# Allegro board parallella_layout.brd (continued)
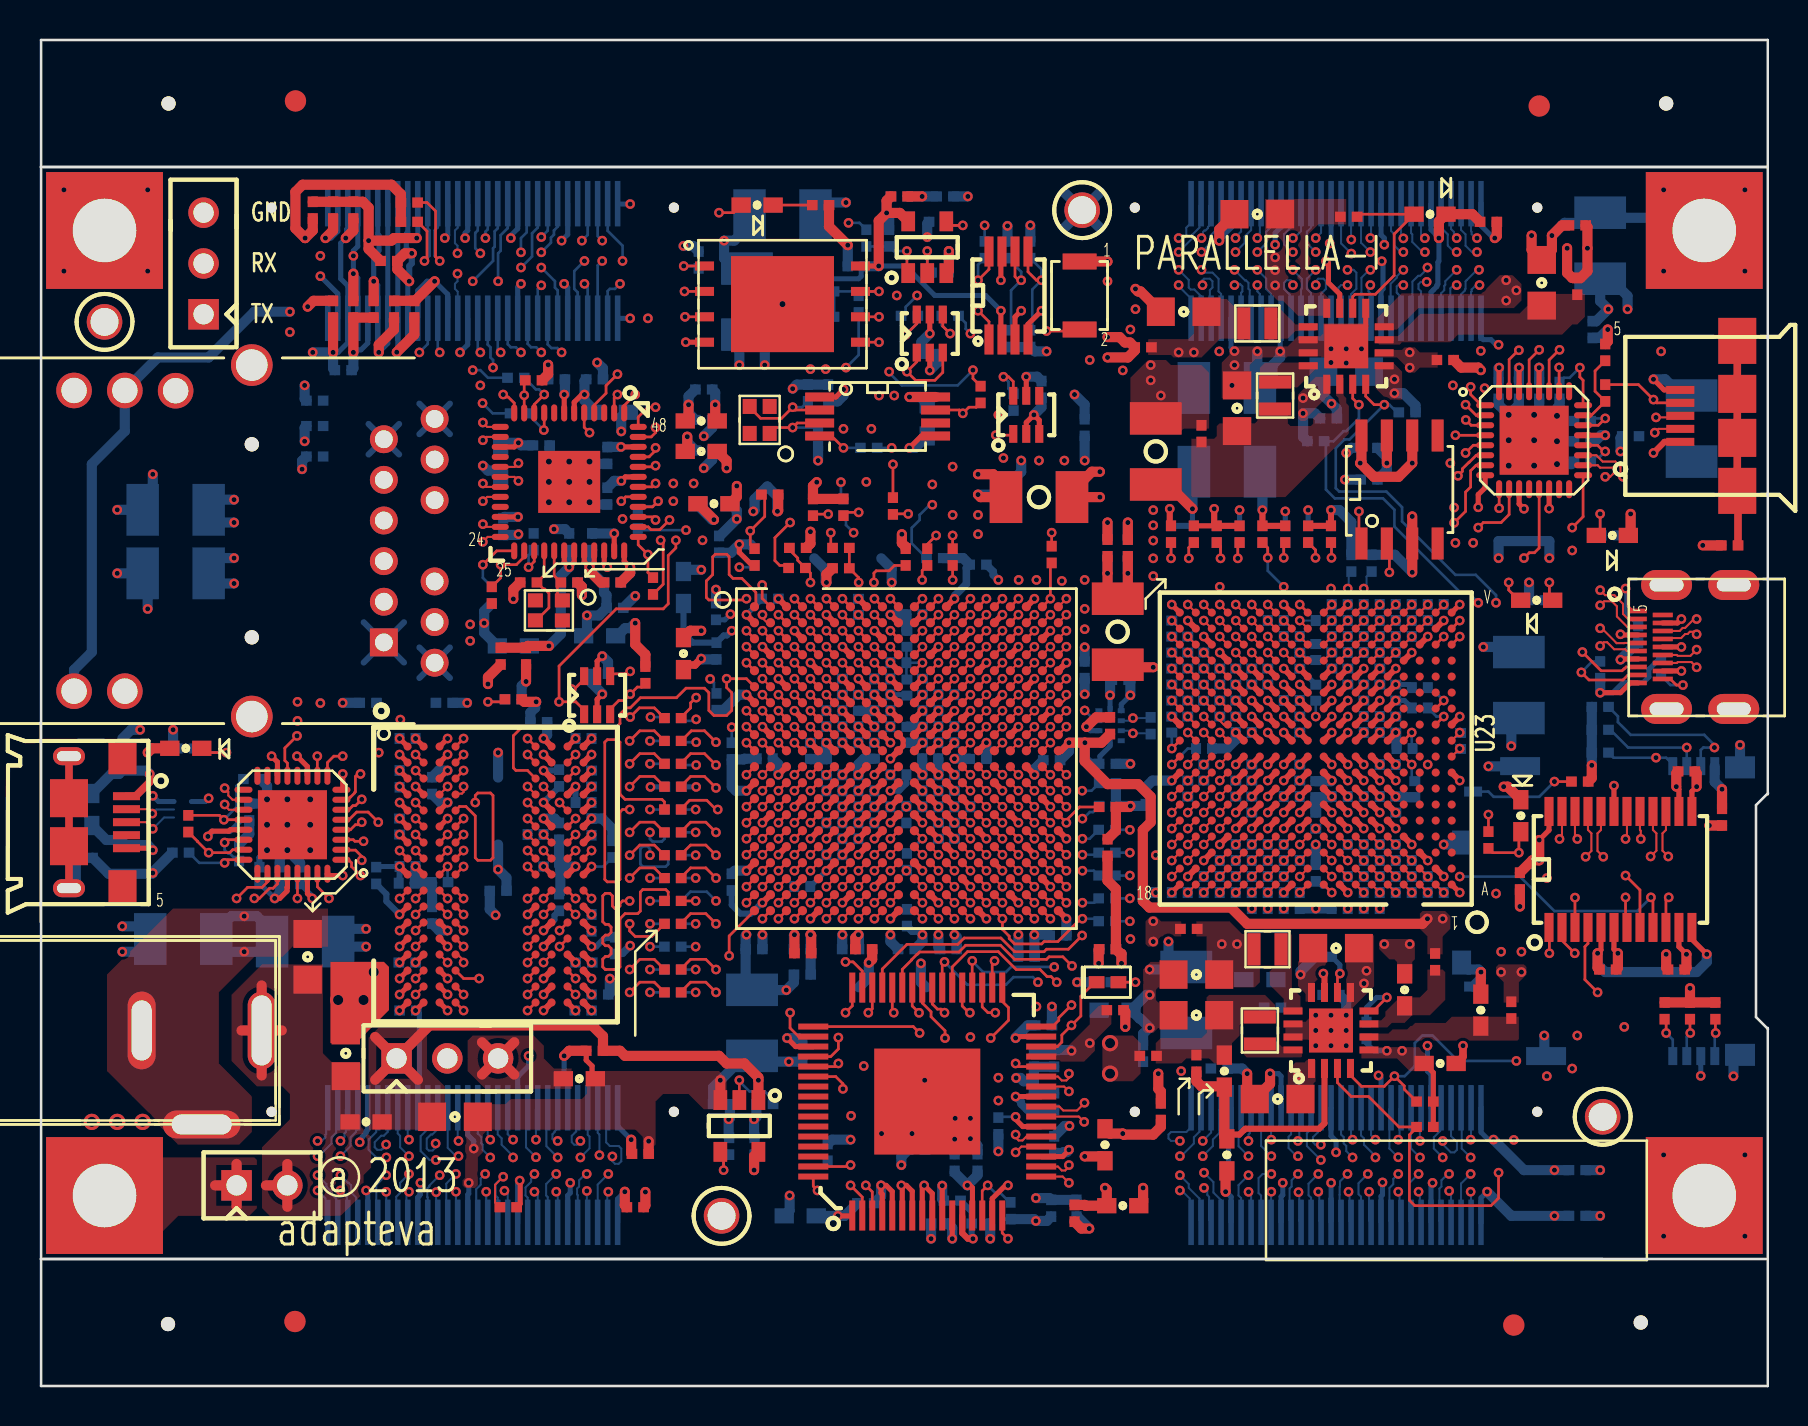
[diagram p0: board, top side]
## Routing (per net, layer and track width the routed paths; a pad name or vN(x,y) marks a point on that pad's centre or on a via; arc(x,y) is an arc through that point) (continued)
PS_I2C_SDA: length 66
  TOP w0.133: U37.3 v1(76.77,24.42) ; U2.N17 v1(48.94,28.97)
  L5_SIG w0.108: v1(52.12,29.77) 53.46,28.44 53.46,28.07 54.35,27.18 54.66,27.18 55.28,26.56 55.28,21.97 54.66,21.35 54.66,20.95 54.28,20.57 54.28,19.05 54.79,18.54 54.79,15.68 53.58,14.48 53.58,11.73 54.78,10.54 55.17,10.54 56.44,9.27 73.59,9.27 74.22,9.91 74.22,12.45 73.49,13.18 73.49,15.14 74.73,16.38 74.73,18.36 76.3,19.94 76.3,23.95 v1(76.77,24.42)
  L10_SIG w0.108: v1(52.12,29.77) 51.73,30.17 49.57,30.17 49.34,29.93 49.34,29.59 48.94,29.19 v1(48.94,28.97)
  BOTTOM w0.133: R18.2 52.59,29.77 v1(52.12,29.77)
PS_MIO7: length 6
  TOP w0.133: U2.D8 v1(40.93,36.97) ; v1(40.95,40.18) 40.95,40.42 R45.2 R334.1
  L8_SIG w0.108: v1(40.95,40.18) 41.33,39.8 41.33,38.41 41.33,38.4 41.33,37.94 41.33,37.93 41.33,37.37 v1(40.93,36.97)
PS_POR_L: length 32.6
  TOP w0.133: v1(43.36,56.76) 43.36,55.71 U33.1 ; U2.C7 v1(40.13,37.77)
  L3_SIG w0.108: v1(43.36,56.76) 43.36,53.47 42.47,52.58 42.47,51.94 41.2,50.67 41.2,49.66 39.68,48.13 39.68,46.61 40.69,45.59 40.69,44.83 41.46,44.07 41.46,43.43 v1(40.69,42.67)
  L8_SIG w0.108: v1(43.36,56.76) 43.37,56.76 43.87,56.26 44.63,56.26 44.88,56.52 44.88,57.02 45.27,57.4 46.28,57.4 46.92,58.04 v1(47.25,58.04) ; v1(40.13,37.77) 40.54,38.17 40.54,40.64 40.69,40.8 v1(40.69,42.67)
  BOTTOM w0.133: v1(40.69,42.67) 40.31,43.05 40.31,43.4 R95.2 ; R96.2 v1(47.25,58.04) ; v1(43.36,56.76) 42.7,56.76 R326.1 R98.1
QSPI_CLK: length 27.3
  TOP w0.133: R47.1 35.52,42.09 v1(35.52,42.76) 36.25,43.48 36.25,44.41 R46.1 ; U2.A5 v1(38.53,39.37) ; U7.6 v1(41.96,53.47)
  L3_SIG w0.108: v1(38.53,39.37) 38.53,39.62 38.03,40.13 38.03,40.77 36.76,42.04 36.25,42.04 v1(35.52,42.76)
  L8_SIG w0.108: v1(41.96,53.47) 40.06,53.47 38.09,51.5 38.09,46.29 37.65,45.85 37.65,43.75 38.09,43.31 38.09,41.48 38.93,40.64 38.93,39.77 v1(38.53,39.37)
QSPI_CS_L: length 29.9
  TOP w0.133: U2.A7 v1(40.13,39.37) ; U7.1 v1(32.2,56.01)
  L3_SIG w0.108: v1(39.3,50.85) 38.69,51.46 34.77,51.46 34.66,51.57 34.66,53.49 34.55,53.59 34.12,53.59 34.01,53.49 34.01,51.57 33.9,51.46 33.17,51.46 32.95,51.69 32.95,55.75 32.69,56.01 v1(32.2,56.01)
  L8_SIG w0.108: v1(39.3,50.85) 39.3,46.46 39.31,46.44 39.31,46.11 39.3,46.1 39.3,44.88 39.93,44.25 39.93,42.93 40.19,42.67 40.19,41.15 40.13,41.1 v1(40.13,39.37)
  BOTTOM w0.133: R28.2 32.83,56.01 v1(32.2,56.01)
QSPI_IO_0: length 32.6
  TOP w0.133: R48.1 42.74,41.03 42.47,40.77 41.82,40.77 41.71,40.65 v1(41.71,40.18) ; U7.5 v1(41.96,52.2) ; U2.B8 v1(40.93,38.57)
  L8_SIG w0.108: v1(41.71,40.18) 41.71,40.51 41.46,40.77 41.46,44.07 40.82,44.7 40.82,46.22 41.08,46.48 41.08,49.91 41.2,50.03 41.2,51.43 41.33,51.56 48.06,51.56 48.19,51.69 48.19,53.09 48.06,53.21 43.36,53.21 42.34,52.2 v1(41.96,52.2)
  L10_SIG w0.108: v1(40.93,38.57) 41.33,38.97 41.33,39.8 v1(41.71,40.18)
QSPI_IO_1: length 38.1
  TOP w0.133: v1(39.42,43.6) 38.74,43.6 R51.2 ; U7.2 v1(32.23,54.74) ; U2.D6 v1(39.33,36.97)
  L3_SIG w0.108: v1(39.42,43.6) 39.04,43.22 39.04,41.27 39.74,40.58 39.74,39.09 39.61,38.97 39.17,38.97 38.93,38.73 38.93,37.37 v1(39.33,36.97)
  L8_SIG w0.108: v1(32.23,54.74) 36.25,54.74 36.38,54.86 36.38,55.12 36.25,55.24 31.68,55.24 31.42,54.99 31.42,45.9 31.68,45.64 v1(31.68,45.14)
  L10_SIG w0.108: v1(31.68,45.14) 32.31,44.5 37.26,44.5 38.17,43.6 v1(39.42,43.6)
QSPI_IO_2: length 35.2
  TOP w0.133: v1(40.95,43.69) 40.35,43.69 R50.2 ; U7.3 v1(32.26,53.47) ; U2.B7 v1(40.13,38.57)
  L3_SIG w0.108: v1(40.95,43.69) 40.19,42.93 40.19,41.15 40.54,40.8 40.54,39.03 40.33,38.82 40.33,38.76 v1(40.13,38.57)
  L8_SIG w0.108: v1(32.69,45.14) 32.37,45.45 32.37,45.71 31.9,46.18 31.9,50.29 32.16,50.55 33.2,50.55 33.33,50.67 33.33,51.05 33.2,51.18 32.18,51.18 31.9,51.46 31.9,52.68 32.18,52.96 35.49,52.96 35.61,53.09 35.61,53.47 35.49,53.59 32.39,53.59 v1(32.26,53.47)
  L10_SIG w0.108: v1(32.69,45.14) 33.01,45.45 35.11,45.45 35.74,44.82 37.54,44.82 38.29,44.07 40.57,44.07 v1(40.95,43.69)
QSPI_IO_3: length 33.6
  TOP w0.133: U7.7 v1(41.96,54.74) ; U2.A6 v1(39.33,39.37)
  L3_SIG w0.108: v1(41.96,54.74) 41.52,54.3 41.52,53.14 39.69,51.31 39.69,50.55 38.41,49.26 38.41,48.77 38.03,48.39 34.09,48.39 33.96,48.26 33.96,47.12 34.09,46.99 37.65,46.99 37.77,46.86 37.77,46 37.65,45.87 35.72,45.87 35.61,45.77 35.61,45.33 35.72,45.23 36.12,45.23 36.38,44.97 36.38,43.31 38.94,40.75 38.94,39.91 39.33,39.51 v1(39.33,39.37)
  BOTTOM w0.133: R76.2 R52.2 40.73,54.74 R97.1 41.16,54.74 v1(41.96,54.74)
REG_EN1: length 115.1
  TOP w0.133: U29.3 64.89,15.17 65.59,14.48 66.45,14.48 67.97,12.95 R276.1 68.85,12.92 68.49,12.56 68.49,9.29 68.76,9.02 72.57,9.02 72.95,9.4 v1(72.95,10.67)
  L5_SIG w0.108: v1(28.12,56.26) 28.12,56.64 28.76,57.28 31.8,57.28 31.93,57.41 32.56,57.41 33.09,56.88 39.28,56.88 39.93,57.53 40.95,57.53 41.2,57.78 42.85,57.78 42.98,57.91 44.63,57.91 44.88,57.66 44.88,56.64 45.27,56.26 46.15,56.26 46.28,56.39 50.35,56.39 50.98,55.75 55.17,55.75 55.93,54.99 55.93,54.74 57.58,53.09 63.17,53.09 63.68,52.58 73.08,52.58 73.46,52.2 73.46,50.55 74.35,49.66 76.07,49.66 76.51,49.22 76.51,44.2 77.14,43.56 77.14,41.27 76.38,40.51 76.38,38.35 72.95,34.92 72.95,30.61 72.7,30.35 72.7,29.21 72.95,28.96 72.95,26.42 73.33,26.04 73.33,24.49 73.15,24.31 73.15,22.68 72.57,22.1 72.57,15.75 73.08,15.24 73.08,12.83 73.21,12.7 73.21,10.92 v1(72.95,10.67)
  BOTTOM w0.133: J13.5 27.89,56.03 v1(28.12,56.26)
REG_EN2: length 97.7
  TOP w0.133: v1(65.01,20.62) 64.89,20.51 U29.10
  L5_SIG w0.108: v1(73.08,21.72) 73.43,22.07 73.43,24.08 73.71,24.36 73.71,26.16 73.33,26.54 73.33,28.45 73.97,29.08 73.97,31.37 74.35,31.75 74.35,35.81 76.76,38.23 76.76,40.39 77.52,41.15 77.52,48.77 76.25,50.04 75.11,50.04 74.48,50.67 74.48,52.07 73.59,52.96 63.81,52.96 63.3,53.47 57.71,53.47 56.31,54.86 56.31,55.24 54.92,56.64 50.85,56.64 50.73,56.77 46.28,56.77 44.76,58.29 42.85,58.29 42.73,58.17 41.58,58.17 41.07,58.67 35.36,58.67 34.47,57.78 32.31,57.78 32.18,57.66 28.5,57.66 v1(28.12,57.28)
  L10_SIG w0.108: v1(73.08,21.72) 71.68,21.72 70.03,20.07 67.11,20.07 66.73,19.69 65.95,19.69 v1(65.01,20.62)
  BOTTOM w0.133: v1(28.12,57.28) 27.89,57.5 J13.6
  BOTTOM w0.254: R277.1 65.01,21.06 v1(65.01,20.62)
REG_EN3: length 113.7
  TOP w0.133: R280.1 68.23,14.84 68.23,15.01 v1(67.74,15.49) 67.24,14.99 66.09,14.99 65.54,15.53 U29.4
  L5_SIG w0.108: v1(73.84,16.26) 73.84,18.29 75.94,20.39 75.94,24.47 76.49,25.02 76.49,27.7 75.24,28.96 75.24,30.73 76.13,31.62 76.13,36.58 77.52,37.97 77.52,40.13 79.05,41.66 79.05,43.94 79.94,44.83 79.94,48.77 77.14,51.56 77.14,53.59 70.79,59.94 28.76,59.94 26.6,57.78 26.6,56.13 27.23,55.5 v1(27.23,55.12)
  BOTTOM w0.133: v1(67.74,15.49) 68.25,15.49 68.76,16 68.76,17.14 69.14,17.53 69.65,17.53 70.92,16.26 v1(73.84,16.26) ; v1(27.23,55.12) 27.39,54.96 J13.7
REG_EN4: length 103.8
  TOP w0.133: U29.8 66.69,18.76 v1(67.36,19.43)
  L5_SIG w0.108: v1(27.1,57.28) 27.87,58.04 30.91,58.04 31.04,57.91 32.06,57.91 32.31,58.17 34.34,58.17 35.76,59.58 40.8,59.58 41.07,59.31 43.23,59.31 43.74,58.8 44.76,58.8 46.41,57.15 50.85,57.15 50.98,57.02 55.17,57.02 56.06,57.91 60,57.91 60.38,57.53 60.38,54.74 61.27,53.85 63.55,53.85 64.06,53.34 74.22,53.34 75.49,52.07 75.49,50.67 75.75,50.42 77.16,50.42 79.57,48.01 79.57,44.97 78.67,44.07 78.67,41.78 77.14,40.26 77.14,38.1 75.49,36.45 75.49,31.62 74.86,30.99 74.86,28.58 75.6,27.83 75.6,26.05 75.87,25.78 75.87,25.15 75.49,24.77 75.36,24.77 74.73,24.13 74.73,22.35 v1(74.09,21.72)
  L10_SIG w0.108: v1(67.36,19.43) 70.16,19.43 71.94,21.21 73.59,21.21 v1(74.09,21.72)
  BOTTOM w0.133: v1(27.1,57.28) 27.39,57.57 J13.8
  BOTTOM w0.254: v1(67.36,19.43) 66.86,19.43 66.35,18.92 R283.1
RESET_N: length 25
  L3_SIG w0.108: v1(22.02,56.64) 21.77,56.9 21.77,57.78 22.41,58.42 30.28,58.42 30.79,57.91 32.44,57.91 33.71,59.18 38.15,59.18 39.17,58.17 v1(40.44,58.17)
  BOTTOM w0.133: R98.2 40.99,58.17 v1(40.44,58.17) ; v1(22.02,56.64) 21.77,56.9 21.77,57.66 21.89,57.78 J13.30
RXI_CCLK_N: length 26.4
  TOP w0.102: U23.K1 v1(71.01,32.68) ; v1(48.94,33.77) U2.H17
  L8_SIG w0.095: v1(71.01,32.68) 69.51,32.68 69.01,32.18 57.33,32.18 56.82,32.69 56.57,32.69 55.16,34.1 53,34.1 52.78,34.32 52.78,34.78 52.57,34.99 51.5,34.99 51.5,34.98 49.59,34.98 49.34,34.73 49.34,34.36 49.16,34.18 48.71,34.18 48.57,34.04 48.57,33.84 48.64,33.77 v1(48.94,33.77)
RXI_CCLK_P: length 26.1
  TOP w0.102: v1(48.14,33.77) U2.H16 ; U23.J1 v1(71.01,31.88)
  L8_SIG w0.095: v1(48.14,33.77) 48.54,33.36 49.16,33.36 49.33,33.53 49.33,33.53 49.33,33.91 49.57,34.16 52.08,34.16 52.09,34.17 52.49,34.17 52.88,33.79 55.03,33.79 56.44,32.38 56.7,32.38 57.2,31.88 69.14,31.88 69.64,32.37 70.51,32.37 v1(71.01,31.88)
RXI_EA_DATA0_N: length 8.3
  TOP w0.102: U23.T18 v1(56.61,37.48) ; U2.A20 v1(51.34,39.37)
  L3_SIG w0.095: v1(56.61,37.48) 56.91,37.48 57.03,37.6 57.03,37.77 56.91,37.89 56.4,37.89 56.24,38.05 53.77,38.05 52.21,39.61 51.58,39.61 v1(51.34,39.37)
RXI_EA_DATA0_P: length 8.8
  TOP w0.102: U23.U18 v1(56.61,38.28) ; U2.B19 v1(50.54,38.57)
  L3_SIG w0.095: v1(50.54,38.57) 50.94,38.98 50.94,39.53 51.33,39.92 52.34,39.92 53.9,38.35 56.53,38.35 v1(56.61,38.28)
RXI_EA_DATA1_N: length 10.5
  TOP w0.102: U2.B20 v1(51.34,38.57) ; U23.R17 v1(57.41,36.68)
  L5_SIG w0.095: v1(57.41,36.68) 57.02,36.29 56.32,36.29 56.09,36.53 55.68,36.53 55.3,36.91 53.9,36.91 53.24,36.25 51.87,36.25 51.55,36.56 51.17,36.56 50.94,36.79 50.94,38.06 51.23,38.35 51.23,38.47 v1(51.34,38.57)
RXI_EA_DATA1_P: length 10.2
  TOP w0.102: U23.T17 v1(57.41,37.48) ; U2.C20 v1(51.34,37.77)
  L5_SIG w0.095: v1(57.41,37.48) 57.46,37.43 57.46,37.21 57.33,37.09 56.26,37.09 56.01,36.83 55.81,36.83 55.43,37.21 53.77,37.21 53.11,36.55 52,36.55 51.77,36.78 51.77,38 51.87,38.1 51.87,38.23 51.81,38.29 51.63,38.29 51.34,38 v1(51.34,37.77)
RXI_EA_DATA2_N: length 9
  TOP w0.102: U2.D20 v1(51.34,36.97) ; U23.P16 v1(58.21,35.88)
  L10_SIG w0.095: v1(58.21,35.88) 58.21,36.09 58.03,36.27 56.24,36.27 56.06,36.45 56.06,36.7 55.98,36.78 55.82,36.78 55.69,36.91 52.78,36.91 52.43,36.55 52.09,36.55 51.67,36.97 v1(51.34,36.97)
RXI_EA_DATA2_P: length 9.3
  TOP w0.102: U2.D19 v1(50.54,36.97) ; U23.R16 v1(58.21,36.68)
  L10_SIG w0.095: v1(58.21,36.68) 57.99,36.68 57.58,37.08 55.95,37.08 55.82,37.21 52.76,37.21 52.59,37.38 50.95,37.38 v1(50.54,36.97)
RXI_EA_DATA3_N: length 11.8
  TOP w0.102: U23.N15 v1(59.01,35.08) ; U2.E19 v1(50.54,36.17)
  L8_SIG w0.095: v1(50.54,36.17) 50.93,35.78 51.5,35.78 51.72,36 53.65,36 54.85,34.8 55.49,34.8 55.84,35.15 56.09,35.15 56.19,35.05 56.19,34.85 56.37,34.67 59.24,34.67 59.38,34.82 59.38,34.95 59.25,35.08 v1(59.01,35.08)
RXI_EA_DATA3_P: length 11.5
  TOP w0.102: U2.E18 v1(49.74,36.17) ; U23.P15 v1(59.01,35.88)
  L8_SIG w0.095: v1(59.01,35.88) 58.6,35.47 55.72,35.47 55.36,35.1 54.98,35.1 53.77,36.31 51.81,36.31 51.54,36.57 50.14,36.57 v1(49.74,36.17)
RXI_EA_DATA4_N: length 10
  TOP w0.102: U23.P18 v1(56.61,35.88) ; U2.D18 v1(49.74,36.97)
  L3_SIG w0.095: v1(56.61,35.88) 56.88,35.88 57,36 57,36.17 56.88,36.29 56.44,36.29 56.36,36.37 56.19,36.37 55.51,37.06 52.98,37.06 52.48,36.55 51.5,36.55 51.5,36.56 50.37,36.56 50.37,36.55 49.83,36.55 49.68,36.7 49.68,36.92 v1(49.74,36.97)
RXI_EA_DATA4_P: length 9.9
  TOP w0.102: U2.E17 v1(48.94,36.17) ; U23.R18 v1(56.61,36.68)
  L3_SIG w0.095: v1(56.61,36.68) 56.31,36.68 55.63,37.36 49.57,37.36 49.33,37.11 49.33,36.56 v1(48.94,36.17)
RXI_EA_DATA5_N: length 8.6
  TOP w0.102: U2.F20 v1(51.34,35.37) ; U23.N17 v1(57.41,35.08)
  L5_SIG w0.095: v1(51.34,35.37) 51.34,35.08 51.44,34.98 51.67,34.98 51.87,35.18 54.54,35.18 54.94,34.77 55.42,34.77 55.83,35.18 56.01,35.18 56.16,35.03 56.16,34.87 56.34,34.69 57.3,34.69 57.41,34.79 v1(57.41,35.08)
RXI_EA_DATA5_P: length 8.8
  TOP w0.102: U23.P17 v1(57.41,35.88) ; U2.F19 v1(50.54,35.37)
  L5_SIG w0.095: v1(50.54,35.37) 50.94,35.77 51.55,35.77 51.84,35.48 54.66,35.48 55.07,35.08 55.3,35.08 55.7,35.48 56.37,35.48 56.39,35.47 57,35.47 v1(57.41,35.88)
RXI_EA_DATA6_N: length 12.9
  TOP w0.102: U23.M16 v1(58.21,34.28) ; U2.G18 v1(49.74,34.57)
  L10_SIG w0.095: v1(58.21,34.28) 58.21,34.15 58.32,34.04 58.55,34.04 58.62,34.1 58.62,34.55 58.48,34.69 56.32,34.69 56.16,34.85 56.16,35.05 56.05,35.16 55.92,35.16 55.55,34.8 54.92,34.8 54.79,34.92 54.71,34.92 54.7,34.93 54.51,34.93 53.59,35.86 51.82,35.86 51.74,35.78 50.39,35.78 50.14,35.53 50.14,35.01 49.95,34.81 49.95,34.78 v1(49.74,34.57)
RXI_EA_DATA6_P: length 12.9
  TOP w0.102: U23.N16 v1(58.21,35.08) ; U2.G17 v1(48.94,34.57)
  L10_SIG w0.095: v1(48.94,34.57) 49.34,34.98 49.34,36.33 49.57,36.56 51.57,36.56 51.96,36.16 53.98,36.16 55.04,35.1 55.43,35.1 55.79,35.47 57.82,35.47 v1(58.21,35.08)
RXI_EA_DATA7_N: length 11.7
  TOP w0.102: v1(51.34,34.57) 51.34,34.39 51.11,34.17 U2.G20 ; v1(59.01,33.48) 59.01,33.27 59.2,33.08 U23.L15
  L3_SIG w0.095: v1(59.01,33.48) 59.01,33.78 58.92,33.87 56.38,33.87 56.19,33.68 56.19,33.45 56.13,33.39 55.81,33.39 55.62,33.59 55.62,33.72 55.68,33.78 55.81,33.78 55.93,33.91 55.93,34.04 55.81,34.16 55.55,34.16 55.43,34.04 55.17,34.04 55.17,34.04 55.11,34.1 53.13,34.1 52.76,34.47 52.76,34.8 52.5,35.05 52.12,35.05 51.64,34.57 v1(51.34,34.57)
RXI_EA_DATA7_P: length 11.9
  TOP w0.102: U23.M15 v1(59.01,34.28) ; U2.G19 v1(50.54,34.57)
  L3_SIG w0.095: v1(50.54,34.57) 50.93,34.17 52.62,34.17 53,33.79 54.98,33.79 55.69,33.09 59.28,33.09 59.42,33.23 59.42,33.87 v1(59.01,34.28)
RXI_EA_FRAME_N: length 13.5
  TOP w0.102: U2.G15 v1(47.34,34.57) ; U23.L17 v1(57.41,33.48)
  L5_SIG w0.095: v1(57.41,33.48) 57.02,33.09 55.55,33.09 55.17,33.47 55.17,33.6 54.98,33.79 54.28,33.79 53.87,33.38 47.17,33.38 46.94,33.61 46.94,34.18 v1(47.34,34.57)
RXI_EA_FRAME_P: length 13.1
  TOP w0.102: U23.M17 v1(57.41,34.28) ; U2.H15 v1(47.34,33.77)
  L5_SIG w0.095: v1(47.34,33.77) 47.26,33.84 47.26,34.07 47.37,34.17 52.5,34.17 52.76,33.92 52.76,33.78 52.86,33.68 53.74,33.68 54.16,34.1 55.11,34.1 55.48,33.73 55.48,33.6 55.68,33.39 56.05,33.39 56.19,33.53 56.19,33.64 56.43,33.89 57.31,33.89 57.46,34.04 57.46,34.23 v1(57.41,34.28)
RXI_EA_LCLK_N: length 10.4
  TOP w0.102: U2.F17 v1(48.94,35.37) ; U23.M18 v1(56.61,34.28)
  L3_SIG w0.095: v1(48.94,35.37) 48.92,35.37 48.8,35.24 48.8,35.09 48.92,34.96 51.5,34.96 51.72,35.18 51.72,35.2 51.73,35.21 51.73,35.37 52.12,35.76 53.95,35.76 55.19,34.53 56.36,34.53 v1(56.61,34.28)
RXI_EA_LCLK_P: length 10.5
  TOP w0.102: U23.N18 v1(56.61,35.08) ; U2.F16 v1(48.14,35.37)
  L3_SIG w0.095: v1(56.61,35.08) 56.36,34.83 55.32,34.83 54.08,36.07 52,36.07 51.71,35.78 48.54,35.78 v1(48.14,35.37)
RXI_NO_DATA0_N: length 23.5
  TOP w0.102: U23.A2 v1(70.21,24.68)
  L3_SIG w0.095: v1(70.21,24.68) 70.2,24.68 69.96,24.44 69.96,24.26 70.12,24.1 70.83,24.1 71.22,23.7 71.22,18.59 72.25,17.57 72.25,16.44 72.34,16.35 73.04,16.35 73.38,16 73.38,15.11 73.08,14.81 72.19,14.81 71.99,14.61 71.99,14.35 72.12,14.21 73.44,14.21 73.71,13.94 73.71,13.31 73.44,13.03 72.34,13.03 72.25,12.94 72.25,10.61 72.15,10.51 72.15,10.31 v1(71.55,9.72)
  BOTTOM w0.102: v1(71.55,9.72) 71.57,9.7 J8.3
RXI_NO_DATA0_P: length 23.8
  TOP w0.102: U23.A3 v1(69.41,24.68)
  L3_SIG w0.095: v1(71.55,10.6) 71.82,10.6 71.94,10.73 71.94,13.06 72.22,13.34 73.31,13.34 73.41,13.43 73.41,13.81 73.31,13.91 72,13.91 71.68,14.22 71.68,14.73 72.06,15.11 72.95,15.11 73.08,15.24 73.08,15.88 72.91,16.04 72.22,16.04 71.94,16.32 71.94,17.44 70.92,18.47 70.92,23.57 70.7,23.79 70,23.79 69.66,24.13 69.66,24.48 69.46,24.68 v1(69.41,24.68)
  BOTTOM w0.102: v1(71.55,10.6) 71.07,10.12 J8.5
RXI_NO_DATA1_N: length 24.2
  TOP w0.102: U23.B3 v1(69.41,25.48)
  L5_SIG w0.095: v1(69.41,25.48) 69.41,25.79 69.51,25.89 69.69,25.89 69.82,25.76 69.82,24.36 69.65,24.19 69.4,24.19 69.3,24.1 69.3,23.88 69,23.58 69,23.21 69.3,22.91 70.74,22.91 71.3,22.35 71.3,19.43 71.02,19.16 70.77,19.16 70.67,19.05 70.67,18.75 70.79,18.62 71.01,18.62 71.29,18.35 71.29,17.72 71.01,17.44 70.62,17.44 70.53,17.35 70.53,16.31 71.29,15.54 71.29,15.19 71.38,15.1 72.32,15.1 72.62,14.79 72.62,13.21 72.32,12.9 71.05,12.9 70.97,12.83 70.97,11.94 71.07,11.84 71.33,11.84 71.55,12.07 v1(71.55,12.32)
  BOTTOM w0.102: J8.4 71.57,12.34 v1(71.55,12.32)
RXI_NO_DATA1_P: length 24.3
  TOP w0.102: U23.B4 v1(68.61,25.48)
  L5_SIG w0.095: v1(71.55,11.43) 71.05,11.43 70.67,11.81 70.67,12.95 70.92,13.21 72.19,13.21 72.32,13.34 72.32,14.67 72.19,14.79 71.26,14.79 70.98,15.07 70.98,15.42 70.22,16.18 70.22,17.47 70.49,17.75 70.89,17.75 70.98,17.84 70.98,18.22 70.89,18.32 70.67,18.32 70.36,18.62 70.36,19.18 70.65,19.46 70.9,19.46 70.99,19.56 70.99,22.23 70.61,22.61 69.01,22.61 68.76,22.86 68.76,23.76 69,24 69,25.09 v1(68.61,25.48)
  BOTTOM w0.102: v1(71.55,11.43) 71.11,11.87 71.11,13.88 J8.6
RXI_NO_DATA2_N: length 23.2
  TOP w0.102: U23.C4 v1(68.61,26.28)
  L8_SIG w0.095: v1(70.48,9.75) 70.89,10.16 70.89,10.75 70.64,11 70.31,11 70.23,10.91 69.94,10.91 69.72,11.13 69.72,13.99 69.81,14.09 70.65,14.09 70.92,14.36 70.92,14.99 70.65,15.27 69.81,15.27 69.72,15.36 69.72,16.26 70.18,16.72 70.18,19.18 67.99,21.37 67.99,24.3 68.2,24.51 68.2,25.87 v1(68.61,26.28)
  BOTTOM w0.102: v1(70.48,9.75) 70.57,9.66 J8.7
RXI_NO_DATA2_P: length 23.1
  TOP w0.102: U23.C5 v1(67.81,26.28)
  L8_SIG w0.095: v1(67.81,26.28) 67.4,25.87 67.4,24.45 67.68,24.17 67.68,21.25 69.88,19.05 69.88,16.85 69.41,16.38 69.41,15.24 69.68,14.96 70.52,14.96 70.61,14.87 70.61,14.49 70.52,14.39 69.68,14.39 69.41,14.12 69.41,11.01 69.81,10.6 v1(70.47,10.6)
  BOTTOM w0.102: J8.9 69.99,8.27 69.99,9.87 70.09,9.98 70.09,10.29 70.41,10.6 v1(70.47,10.6)
RXI_NO_DATA3_N: length 24.3
  TOP w0.102: U23.D5 v1(67.81,27.08)
  L8_SIG w0.095: v1(70.16,12.26) 70.06,12.26 69.93,12.13 69.93,11.96 70.06,11.84 70.41,11.84 70.77,12.19 70.77,12.7 71.68,13.61 71.68,17.32 70.97,18.03 70.97,23.52 70.67,23.83 69.9,23.83 69.6,24.13 69.42,24.13 69.37,24.18 69.13,24.18 69,24.31 69,26.53 68.86,26.67 67.51,26.67 67.39,26.79 67.39,26.96 67.51,27.08 v1(67.81,27.08)
  BOTTOM w0.102: J8.8 70.57,12.5 70.87,12.2 70.87,11.81 70.74,11.68 70.56,11.68 70.16,12.09 v1(70.16,12.26)
RXI_NO_DATA3_P: length 24.1
  TOP w0.102: U23.D6 v1(67.01,27.08)
  L8_SIG w0.095: v1(70.16,11.43) 70.23,11.51 70.51,11.51 71.07,12.07 71.07,12.57 71.99,13.49 71.99,17.45 71.27,18.16 71.27,23.65 70.79,24.13 70.03,24.13 69.8,24.36 69.8,26.5 68.83,27.47 67.4,27.47 v1(67.01,27.08)
  BOTTOM w0.102: v1(70.16,11.43) 69.71,11.87 69.71,12.44 70.03,12.76 70.03,13.87 J8.10
RXI_NO_DATA4_N: length 23
  TOP w0.102: U23.A4 v1(68.61,24.68)
  L3_SIG w0.095: v1(68.95,9.72) 68.95,10.05 69.34,10.44 69.34,10.49 69.72,10.86 69.72,12.63 68.76,13.59 68.76,14.64 68.86,14.74 71.03,14.74 71.3,15.01 71.3,16.03 71.03,16.3 69.01,16.3 68.89,16.43 68.89,17.4 68.76,17.53 68.76,19.94 68.89,20.07 68.89,20.83 68.05,21.67 68.05,22.73 68.36,23.04 68.36,24.44 68.6,24.68 v1(68.61,24.68)
  BOTTOM w0.102: J8.13 69.01,8.24 69.01,9.65 v1(68.95,9.72)
RXI_NO_DATA4_P: length 23.1
  TOP w0.102: U23.A5 v1(67.81,24.68)
  L3_SIG w0.095: v1(68.95,10.6) 68.97,10.63 69.05,10.63 69.41,10.99 69.41,12.51 68.46,13.46 68.46,14.77 68.73,15.04 70.9,15.04 71,15.14 71,15.9 70.9,16 68.89,16 68.58,16.3 68.58,17.27 68.46,17.4 68.46,20.07 68.58,20.19 68.58,20.7 67.74,21.54 67.74,22.86 68.06,23.17 68.06,24.43 67.81,24.68 v1(67.81,24.68)
  BOTTOM w0.102: v1(68.95,10.6) 68.51,10.16 68.51,8.25 J8.15
RXI_NO_DATA5_N: length 23.4
  TOP w0.102: U23.B5 v1(67.81,25.48)
  L5_SIG w0.095: v1(69.02,12.26) 68.96,12.19 68.75,12.19 68.63,12.31 68.63,12.57 68.93,12.87 68.93,14.2 69.02,14.3 70.01,14.3 70.28,14.57 70.28,15.21 70.01,15.48 69.02,15.48 68.93,15.58 68.93,17.4 68.62,17.7 68.12,17.7 68.05,17.78 68.05,18.16 68.12,18.24 68.63,18.24 68.93,18.53 68.93,19.21 68.65,19.49 68.25,19.49 68.13,19.61 68.13,19.93 68.25,20.06 68.89,20.06 69.19,20.36 69.19,20.92 68.85,21.26 68.38,21.26 68.04,21.59 68.04,23.24 67.7,23.58 67.7,24.09 67.87,24.26 68.13,24.26 68.22,24.35 68.22,25.76 68.09,25.89 67.85,25.89 67.74,25.78 67.74,25.54 v1(67.81,25.48)
  BOTTOM w0.102: v1(69.02,12.26) 69.01,12.26 69.01,13.85 J8.14
RXI_NO_DATA5_P: length 23.7
  TOP w0.102: U23.B6 v1(67.01,25.48)
  L5_SIG w0.095: v1(69.02,11.43) 68.69,11.76 68.68,11.76 68.33,12.12 68.33,12.7 68.62,12.99 68.62,14.33 68.9,14.61 69.88,14.61 69.98,14.7 69.98,15.08 69.88,15.18 68.9,15.18 68.62,15.45 68.62,17.27 68.5,17.4 68,17.4 67.74,17.65 67.74,18.29 68,18.54 68.51,18.54 68.62,18.66 68.62,19.09 68.53,19.18 68.13,19.18 67.82,19.49 67.82,20.06 68.13,20.36 68.76,20.36 68.89,20.49 68.89,20.79 68.73,20.95 68.25,20.95 67.74,21.47 67.74,23.11 67.4,23.45 67.4,25.09 v1(67.01,25.48)
  BOTTOM w0.102: J8.16 68.57,11.88 v1(69.02,11.43)
RXI_NO_DATA6_N: length 22.6
  TOP w0.102: U23.C6 v1(67.01,26.28)
  L8_SIG w0.095: v1(67.01,26.28) 66.6,25.87 66.6,23.52 66.25,23.17 66.25,21.94 68.63,19.56 68.63,17.53 68.89,17.27 68.89,14.96 68.5,14.57 67.53,14.57 67.44,14.48 67.44,14.1 67.53,14 68.36,14 68.63,13.73 68.63,10.84 68.56,10.77 68.56,10.34 v1(67.93,9.72)
  BOTTOM w0.102: v1(67.93,9.72) 68,9.65 68,8.26 J8.17
RXI_NO_DATA6_P: length 22.5
  TOP w0.102: U23.C7 v1(66.21,26.28)
  L8_SIG w0.095: v1(66.21,26.28) 66.07,26.14 66.07,25.91 65.81,25.65 65.81,23.31 65.94,23.18 65.94,21.82 68.33,19.43 68.33,17.4 68.58,17.15 68.58,15.09 68.37,14.88 67.41,14.88 67.13,14.6 67.13,13.97 67.41,13.7 68.23,13.7 68.33,13.6 68.33,11 v1(67.93,10.6)
  BOTTOM w0.102: v1(67.93,10.6) 67.68,10.35 67.68,10.09 67.49,9.9 67.49,8.27 J8.19
RXI_NO_DATA7_N: length 22.7
  TOP w0.102: U23.D7 v1(66.21,27.08)
  L8_SIG w0.095: v1(67.93,12.32) 67.93,12.27 67.81,12.14 67.57,12.14 67.49,12.22 67.49,12.7 66.56,13.63 66.56,14.83 66.28,15.1 65.65,15.1 65.56,15.2 65.56,15.96 65.65,16.06 66.28,16.06 66.56,16.33 66.56,18.99 65.76,19.79 65.76,21.08 64.52,22.32 64.52,24.07 64.63,24.18 64.87,24.18 65,24.31 65,25.68 65.2,25.89 65.57,25.89 65.8,26.11 65.8,27.36 65.92,27.48 66.25,27.48 66.37,27.36 66.37,27.2 66.25,27.08 v1(66.21,27.08)
  BOTTOM w0.102: v1(67.93,12.32) 68,12.38 68,13.84 J8.18
RXI_NO_DATA7_P: length 22.7
  TOP w0.102: U23.D8 v1(65.41,27.08)
  L8_SIG w0.095: v1(65.41,27.08) 65.02,26.69 65.02,26.13 64.77,25.89 64.46,25.89 64.22,25.64 64.22,22.2 65.46,20.96 65.46,19.66 66.25,18.87 66.25,16.46 66.16,16.36 65.53,16.36 65.25,16.09 65.25,15.07 65.53,14.8 66.16,14.8 66.25,14.7 66.25,13.51 67.18,12.58 67.18,12.09 67.84,11.44 v1(67.93,11.44)
  BOTTOM w0.102: J8.20 67.49,13.83 67.49,11.87 67.92,11.44 v1(67.93,11.44)
RXI_NO_FRAME_N: length 24.5
  TOP w0.102: U23.B7 v1(66.21,25.48)
  L5_SIG w0.095: v1(66.21,25.48) 66.27,25.48 66.62,25.13 66.62,24.27 66.22,23.88 v1(66.21,23.88) 65.95,23.62 65.84,23.62 65.71,23.5 65.71,22.66 67.22,21.15 67.22,19.99 66.96,19.72 66.96,16.1 66.54,15.68 66.54,14.62 66.22,14.3 66.22,14.02 66.35,13.89 66.78,13.89 66.98,14.1 66.98,14.73 67.24,14.99 67.87,14.99 68.13,14.73 68.13,13.21 67.74,12.83 66.63,12.83 66.34,12.54 66.34,11.94 66.47,11.81 66.62,11.81 66.63,11.82 67.24,11.82 67.36,11.95 67.36,12.19 67.24,12.32 v1(66.79,12.32)
  BOTTOM w0.102: v1(66.79,12.32) 66.57,12.54 J8.24
RXI_NO_FRAME_P: length 24.3
  TOP w0.102: U23.B8 v1(65.41,25.48)
  L5_SIG w0.095: v1(65.41,25.48) 65.41,25.45 65.8,25.06 65.8,24.27 v1(65.41,23.88) 65.41,22.53 66.92,21.02 66.92,20.12 66.65,19.85 66.65,16.23 66.23,15.81 66.23,14.74 65.91,14.43 65.91,13.89 66.22,13.59 66.91,13.59 67.29,13.97 67.29,14.61 67.36,14.68 67.74,14.68 67.82,14.61 67.82,13.33 67.62,13.13 66.5,13.13 66.04,12.67 66.04,11.81 66.34,11.51 66.47,11.51 66.55,11.43 v1(66.79,11.43)
  BOTTOM w0.102: J8.26 66.07,12.53 66.22,12.38 66.22,12.07 66.79,11.49 v1(66.79,11.43)
RXI_NO_LCLK_N: length 22.6
  TOP w0.102: U23.A6 v1(67.01,24.68)
  L3_SIG w0.095: v1(66.47,9.72) 67.23,9.72 67.54,10.02 67.54,12.7 67.16,13.08 67.16,13.72 67.54,14.09 67.54,14.74 67.24,15.04 66.22,15.04 66.09,15.16 66.09,16.51 66.22,16.64 66.6,16.64 66.91,16.94 66.91,18.52 66.6,18.82 66.24,18.82 66.14,18.92 66.14,19.3 66.24,19.39 66.73,19.39 67.03,19.7 67.03,19.94 67.11,20.01 67.24,20.01 67.54,20.32 67.54,21.08 67.24,21.39 66.85,21.39 66.76,21.48 66.76,21.84 66.46,22.15 66.35,22.15 66.27,22.22 66.27,23.29 66.6,23.62 66.6,24.27 v1(67.01,24.68)
  BOTTOM w0.102: J8.23 66.47,8.28 v1(66.47,9.72)
RXI_NO_LCLK_P: length 22.6
  TOP w0.102: U23.A7 v1(66.21,24.68)
  L3_SIG w0.095: v1(66.41,10.6) 67.11,10.6 67.23,10.73 67.23,12.57 66.86,12.95 66.86,13.84 67.23,14.22 67.23,14.61 67.11,14.73 66.09,14.73 65.79,15.04 65.79,16.64 66.09,16.94 66.47,16.94 66.6,17.07 66.6,18.39 66.47,18.52 66.11,18.52 65.84,18.79 65.84,19.43 66.11,19.7 66.6,19.7 66.73,19.83 66.73,20.07 66.98,20.32 67.11,20.32 67.24,20.45 67.24,20.95 67.11,21.08 66.73,21.08 66.46,21.35 66.46,21.72 66.33,21.84 66.22,21.84 65.97,22.1 65.97,23.47 65.82,23.62 65.82,24.29 v1(66.21,24.68)
  BOTTOM w0.102: J8.25 66.07,9.47 65.95,9.59 65.95,10.14 v1(66.41,10.6)
RXI_SO_DATA0_N: length 24.6
  TOP w0.102: U23.V3 v1(69.41,39.08)
  L3_SIG w0.095: v1(72,55.05) 72,55.3 72.13,55.42 72.39,55.42 72.52,55.3 72.52,54.25 69.85,51.59 69.85,46.68 69.66,46.48 69.66,45.62 69.9,45.37 69.9,41.58 70.18,41.3 71.38,41.3 71.48,41.21 71.48,40.83 71.38,40.73 70.18,40.73 69.9,40.46 69.9,39.33 69.82,39.24 69.82,38.92 69.82,38.91 69.82,38.84 69.7,38.71 69.55,38.71 69.42,38.84 69.42,39.07 v1(69.41,39.08)
  BOTTOM w0.102: v1(72,55.05) 71.82,55.05 71.6,54.84 71.6,54.74 71.57,54.71 J9.3